# KiCad board RP2040-Breadstick.kicad_pcb (continued)
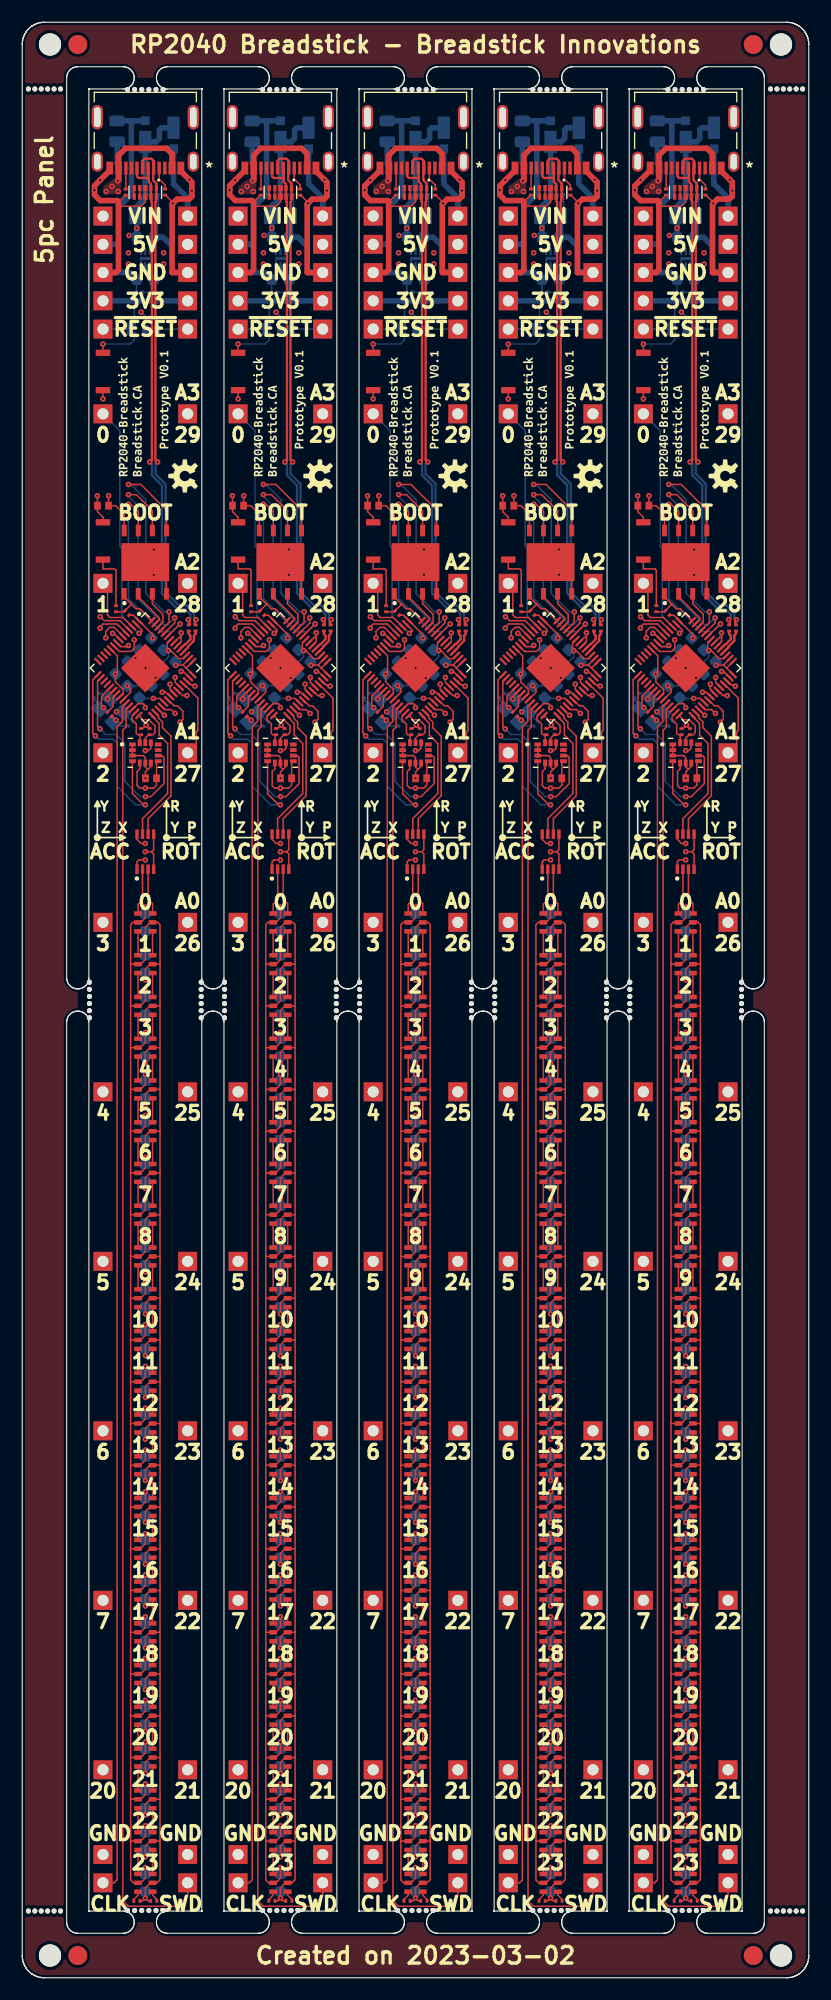
[diagram p0: board, top side]
## Routing (per net, layer and track width the routed paths; a pad name or vN(x,y) marks a point on that pad's centre or on a via; arc(x,y) is an arc through that point) (continued)
Board_4-IMU_INT1: length 19.6
  L1_SIG.Cu w0.127: v1(59.72,105.47) 59.56,105.47 58.56,106.47 U401#2.4 ; v1(55.23,111.66) 54.99,111.9 54.99,116.71 U201#4.15
  L8_SIG.Cu w0.127: v1(55.23,111.66) 55.53,111.36 56.8,111.36 57.2,110.96 57.2,107.11 58.84,105.47 v1(59.72,105.47)
Board_4-IMU_INT2: length 18.5
  L1_SIG.Cu w0.127: U401#2.9 61.23,109.89 61.4,109.72 61.4,107.37 60.23,106.2 v1(59.73,106.2) ; U201#4.16 55.42,116.57 55.42,112.51 v1(55.63,112.3)
  L8_SIG.Cu w0.127: v1(59.73,106.2) 59.24,106.2 57.88,107.56 57.88,111.01 57.1,111.79 56.14,111.79 v1(55.63,112.3)
Board_4-IMU_SCL: length 3.9
  L1_SIG.Cu w0.127: U201#4.28 59.5,113.12 60.03,113.12 60.58,112.56 60.58,111.97 60.38,111.77 R210#4.1 60.03,111.77 59.72,111.46 U401#2.13
Board_4-IMU_SDA: length 3.4
  L1_SIG.Cu w0.127: U201#4.27 58.5,113.43 58.5,113.14 58.91,112.73 58.91,111.89 59.03,111.77 R209.1 59.23,111.66 59.23,111.06 U401#2.14
Board_4-LED_CLK: length 12.2
  L1_SIG.Cu w0.127: IC301#4.7 59.47,104.23 61.73,106.48 61.73,110.98 60.96,111.74 60.96,112.78 60.31,113.44 U201#4.29
Board_4-LED_DATA: length 12.4
  L1_SIG.Cu w0.127: IC301#4.6 59.97,104.22 62.03,106.28 62.03,111.64 61.27,112.4 61.27,112.91 60.91,113.26 60.91,113.45 U201#4.30
Board_4-Net-(C201-Pad1): length 2
  L1_SIG.Cu w0.127: U201#4.20 56.32,115.2 v1(56.32,114.99)
  L8_SIG.Cu w0.127: v1(56.32,114.99) 55.82,115.49 C201#4.1
Board_4-Net-(C203-Pad1): length 2.1
  L1_SIG.Cu w0.127: R201#5.1 57.03,113.08 v1(57.09,113.08)
  L8_SIG.Cu w0.127: C203#2.1 57.09,112.56 Y201#2.3
Board_4-Net-(J221-PadA5): length 2.1
  L1_SIG.Cu w0.127: R207#4.1 61.5,161.19 60.97,161.72 J221#5.A5
Board_4-Net-(J221-PadB5): length 1.9
  L1_SIG.Cu w0.127: J221#5.B5 57.97,160.86 R206#5.1
Board_4-Net-(LED301-Pad1): length 2.2
  L1_SIG.Cu w0.127: LED301#2.1 LED302.3
Board_4-Net-(LED301-Pad6): length 2.2
  L1_SIG.Cu w0.127: LED301#2.6 LED302.4
Board_4-Net-(LED302-Pad1): length 2.2
  L1_SIG.Cu w0.127: LED302.1 LED303#4.3
Board_4-Net-(LED302-Pad6): length 2.2
  L1_SIG.Cu w0.127: LED302.6 LED303#4.4
Board_4-Net-(LED303-Pad1): length 2.2
  L1_SIG.Cu w0.127: LED303#4.1 LED304#3.3
Board_4-Net-(LED303-Pad6): length 2.2
  L1_SIG.Cu w0.127: LED303#4.6 LED304#3.4
Board_4-Net-(LED304-Pad1): length 2.2
  L1_SIG.Cu w0.127: LED304#3.1 LED305#5.3
Board_4-Net-(LED304-Pad6): length 2.2
  L1_SIG.Cu w0.127: LED304#3.6 LED305#5.4
Board_4-Net-(LED305-Pad1): length 2.2
  L1_SIG.Cu w0.127: LED305#5.1 LED306#5.3
Board_4-Net-(LED305-Pad6): length 2.2
  L1_SIG.Cu w0.127: LED305#5.6 LED306#5.4
Board_4-Net-(LED306-Pad1): length 2.2
  L1_SIG.Cu w0.127: LED306#5.1 LED307#5.3
Board_4-Net-(LED306-Pad6): length 2.2
  L1_SIG.Cu w0.127: LED306#5.6 LED307#5.4
Board_4-Net-(LED307-Pad1): length 2.2
  L1_SIG.Cu w0.127: LED307#5.1 LED308#5.3
Board_4-Net-(LED307-Pad6): length 2.2
  L1_SIG.Cu w0.127: LED307#5.6 LED308#5.4
Board_4-Net-(LED308-Pad1): length 2.2
  L1_SIG.Cu w0.127: LED308#5.1 LED309#2.3
Board_4-Net-(LED308-Pad6): length 2.2
  L1_SIG.Cu w0.127: LED308#5.6 LED309#2.4
Board_4-Net-(LED309-Pad1): length 2.2
  L1_SIG.Cu w0.127: LED309#2.1 LED310#5.3
Board_4-Net-(LED309-Pad6): length 2.2
  L1_SIG.Cu w0.127: LED309#2.6 LED310#5.4
Board_4-Net-(LED310-Pad1): length 2.2
  L1_SIG.Cu w0.127: LED310#5.1 LED311#4.3
Board_4-Net-(LED310-Pad6): length 2.2
  L1_SIG.Cu w0.127: LED310#5.6 LED311#4.4
Board_4-Net-(LED311-Pad1): length 2.2
  L1_SIG.Cu w0.127: LED311#4.1 LED312#3.3
Board_4-Net-(LED311-Pad6): length 2.2
  L1_SIG.Cu w0.127: LED311#4.6 LED312#3.4
Board_4-Net-(LED312-Pad1): length 2.2
  L1_SIG.Cu w0.127: LED312#3.1 LED313#3.3
Board_4-Net-(LED312-Pad6): length 2.2
  L1_SIG.Cu w0.127: LED312#3.6 LED313#3.4
Board_4-Net-(LED313-Pad1): length 2.2
  L1_SIG.Cu w0.127: LED313#3.1 LED314.3
Board_4-Net-(LED313-Pad6): length 2.2
  L1_SIG.Cu w0.127: LED313#3.6 LED314.4
Board_4-Net-(LED314-Pad1): length 2.2
  L1_SIG.Cu w0.127: LED314.1 LED315#3.3
Board_4-Net-(LED314-Pad6): length 2.2
  L1_SIG.Cu w0.127: LED314.6 LED315#3.4
Board_4-Net-(LED315-Pad1): length 2.2
  L1_SIG.Cu w0.127: LED315#3.1 LED316#3.3
Board_4-Net-(LED315-Pad6): length 2.2
  L1_SIG.Cu w0.127: LED315#3.6 LED316#3.4
Board_4-Net-(LED316-Pad1): length 2.2
  L1_SIG.Cu w0.127: LED316#3.1 LED317#5.3
Board_4-Net-(LED316-Pad6): length 2.2
  L1_SIG.Cu w0.127: LED316#3.6 LED317#5.4
Board_4-Net-(LED317-Pad1): length 2.2
  L1_SIG.Cu w0.127: LED317#5.1 LED318.3
Board_4-Net-(LED317-Pad6): length 2.2
  L1_SIG.Cu w0.127: LED317#5.6 LED318.4
Board_4-Net-(LED318-Pad1): length 2.2
  L1_SIG.Cu w0.127: LED318.1 LED319#5.3
Board_4-Net-(LED318-Pad6): length 2.2
  L1_SIG.Cu w0.127: LED318.6 LED319#5.4
Board_4-Net-(LED319-Pad1): length 2.2
  L1_SIG.Cu w0.127: LED319#5.1 LED320#2.3
Board_4-Net-(LED319-Pad6): length 2.2
  L1_SIG.Cu w0.127: LED319#5.6 LED320#2.4
Board_4-Net-(LED320-Pad1): length 2.2
  L1_SIG.Cu w0.127: LED320#2.1 LED321.3
Board_4-Net-(LED320-Pad6): length 2.2
  L1_SIG.Cu w0.127: LED320#2.6 LED321.4
Board_4-Net-(LED321-Pad1): length 2.2
  L1_SIG.Cu w0.127: LED321.1 LED322#3.3
Board_4-Net-(LED321-Pad6): length 2.2
  L1_SIG.Cu w0.127: LED321.6 LED322#3.4
Board_4-Net-(LED322-Pad1): length 2.2
  L1_SIG.Cu w0.127: LED322#3.1 LED323#5.3
Board_4-Net-(LED322-Pad6): length 2.2
  L1_SIG.Cu w0.127: LED322#3.6 LED323#5.4
Board_4-Net-(LED323-Pad1): length 2.2
  L1_SIG.Cu w0.127: LED323#5.1 LED324#5.3
Board_4-Net-(LED323-Pad6): length 2.2
  L1_SIG.Cu w0.127: LED323#5.6 LED324#5.4
Board_4-Net-(LED324-Pad1): length 1
  L1_SIG.Cu w0.127: 60.76,6.91 60.76,7.05 60.37,7.43 LED324#5.1
Board_4-Net-(LED324-Pad6): length 1
  L1_SIG.Cu w0.127: LED324#5.6 59.07,7.43 58.68,7.05 R304#4.1
Board_4-Net-(R201-Pad2): length 2
  L1_SIG.Cu w0.127: U201#4.21 56.82,115.15 56.82,114.32 R201#5.2
Board_4-Net-(R204-Pad1): length 5.2
  L1_SIG.Cu w0.127: R204#5.1 57.08,126.55 56.95,126.68 55.91,126.68 SW201#5.2
Board_4-Net-(R211-Pad1): length 4.3
  L1_SIG.Cu w0.127: SW202.2 v1(55.91,146.89)
  L8_SIG.Cu w0.127: 58.72,147.86 58.72,147.27 58.35,146.89 v1(55.91,146.89)
Board_4-Net-(U202-Pad4): length 0.8
  L1_SIG.Cu w0.127: U202#5.4 U202#5.7
Board_4-Net-(U202-Pad5): length 0.8
  L1_SIG.Cu w0.127: U202#5.5 U202#5.6
Board_4-SWCLK: length 107.5
  L1_SIG.Cu w0.127: U201#4.24 57.66,114.29 57.66,112.95 57.18,112.46 57.18,8.79 56.93,8.54 J223#3.1
Board_4-SWD: length 115.3
  L1_SIG.Cu w0.127: J224#2.1 63.53,7.37 62.59,6.43 58.17,6.43 57.69,6.91 57.69,112.17 57.98,112.46 57.98,114.04 U201#4.25
Board_4-VBUS: length 12.5
  L1_SIG.Cu w0.5: J221#5.A4/B9 62.12,164 61.62,164.5 57.94,164.5 57.32,163.87 J221#5.B4/A9 57.32,161.66 v1(57.23,161.58)
  L8_SIG.Cu w0.5: v1(57.23,161.58) 57.31,161.65 57.31,163 57.18,163.12 F501#2.1
  vias: v1(56.19,160.61) v1(56.72,161.07) v1(57.28,160.61)
Board_4-VHI: length 174.3
  L1_SIG.Cu w0.127: 58.4,23.53 58.43,23.55 LED320#2.5 59.29,23.55 59.72,23.98 v1(59.72,24.95) ; 58.4,23.53 58.4,27.34 ; 58.4,23.53 58.4,19.77 ; v1(59.72,39.93) 59.72,39.02 59.27,38.57 LED316#3.5 58.44,38.57 58.4,38.61 ; v1(59.72,84.99) 59.72,84.08 59.27,83.63 LED304#3.5 58.41,83.63 58.4,83.62 ; 58.4,79.86 58.41,79.88 LED305#5.5 59.28,79.88 59.72,80.32 v1(59.72,81.23) ; 58.4,79.86 58.4,83.62 ; 58.4,79.86 58.4,76.1 ; 58.4,31.1 58.4,27.34 ; 58.4,31.1 58.43,31.06 LED318.5 59.28,31.06 59.72,31.5 v1(59.72,32.47) ; 58.4,31.1 58.4,34.8 ; 58.4,27.34 58.43,27.31 LED319#5.5 59.29,27.31 59.72,27.74 v1(59.72,28.71) ; v1(59.72,43.69) 59.72,42.78 59.27,42.33 LED315#3.5 58.44,42.33 58.4,42.37 ; 58.4,19.77 58.4,16.06 ; 58.4,19.77 58.43,19.8 LED321.5 59.3,19.8 59.72,20.22 v1(59.72,21.19) ; 58.4,16.06 58.41,16.04 LED322#3.5 59.3,16.04 59.72,16.46 v1(59.72,17.43) ; 58.4,16.06 58.4,12.3 ; 58.4,38.61 58.4,42.37 ; 58.4,38.61 58.4,34.8 ; 58.4,83.62 58.4,87.38 ; v1(59.72,62.49) 59.72,61.52 59.3,61.1 LED310#5.5 58.43,61.1 58.4,61.07 ; 58.4,91.14 58.4,87.38 ; 58.4,91.14 58.4,94.7 58.6,94.9 LED301#2.5 59.31,94.9 59.72,95.31 v1(59.72,96.27) ; 58.4,91.14 LED302.5 59.31,91.14 59.72,91.55 v1(59.72,92.51) ; 58.4,87.38 58.4,87.39 LED303#4.5 59.27,87.39 59.72,87.84 v1(59.72,88.75) ; 58.4,61.07 58.4,57.36 ; 58.4,61.07 58.4,64.88 ; 58.4,57.36 58.4,53.55 ; 58.4,57.36 58.41,57.35 LED311#4.5 59.3,57.35 59.72,57.77 v1(59.72,58.73) ; 58.4,68.64 58.42,68.61 LED308#5.5 59.29,68.61 59.72,69.04 v1(59.72,70.01) ; 58.4,68.64 58.4,72.34 ; 58.4,68.64 58.4,64.88 ; 58.4,12.3 58.4,8.79 58.66,8.54 LED324#5.5 59.31,8.54 59.72,8.95 v1(59.72,9.91) ; 58.4,12.3 58.41,12.29 LED323#5.5 59.3,12.29 59.72,12.71 v1(59.72,13.67) ; v1(59.72,100.51) 59.14,100.51 58.97,100.35 IC301#4.1 ; 58.4,53.55 58.44,53.59 LED312#3.5 59.31,53.59 59.72,54.01 v1(59.72,54.97) ; 58.4,53.55 58.4,49.84 ; 58.4,42.37 58.4,46.08 ; v1(59.72,66.25) 59.72,65.28 59.29,64.86 LED309#2.5 58.42,64.86 58.4,64.88 ; 58.4,46.08 LED314.5 59.26,46.08 59.72,46.54 v1(59.72,47.45) ; 58.4,46.08 58.4,49.84 ; v1(59.72,73.77) 59.72,72.8 59.28,72.37 LED307#5.5 58.42,72.37 58.4,72.34 ; 58.4,72.34 58.4,76.1 ; v1(59.72,77.53) 59.72,76.56 59.28,76.12 LED306#5.5 58.42,76.12 58.4,76.1 ; 58.4,49.84 58.4,49.84 LED313#3.5 59.31,49.84 59.72,50.25 v1(59.72,51.21) ; 58.4,34.8 58.41,34.82 LED317#5.5 59.28,34.82 59.72,35.26 v1(59.72,36.23)
  L8_SIG.Cu w0.127: v1(59.72,28.71) C321#4.1 ; v1(59.72,77.53) 59.72,76.92 C308#4.1 ; v1(59.72,88.75) C305#3.1 ; v1(59.72,54.97) C314#3.1 ; v1(59.72,9.91) C326.1 ; v1(59.72,70.01) C310.1 ; C309.1 59.72,73.16 v1(59.72,73.77) ; v1(59.72,32.47) C320#2.1 ; v1(59.72,62.49) C312#5.1 ; v1(59.72,58.73) C313#2.1 ; v1(59.72,96.27) C303.1 ; v1(59.72,84.99) C306#5.1 ; v1(59.72,17.43) C324#4.1 ; v1(59.72,21.19) C323#4.1 ; v1(59.72,51.21) C315#4.1 ; R501#3.2 59.85,160.31 59.72,160.43 ; v1(59.72,13.67) C325#2.1 ; v1(59.72,66.25) C311.1 ; v1(59.72,36.23) C319.1 ; v1(59.72,47.45) C316.1 ; v1(59.72,81.23) C307#2.1 ; v1(59.72,39.93) C318#2.1 ; v1(59.72,92.51) C304#2.1 ; v1(59.72,24.95) C322#4.1 ; v1(59.72,43.69) C317#3.1
  L8_SIG.Cu w0.5: D501.1 61.18,166.34 60.99,166.15 60.99,165.39 60.67,165.07 D502#3.1 59.72,160.05 58.82,159.15 C501#4.1 58.94,158.28 v1(58.94,157.31) C502.1
  vias: v1(58.2,155.1) v1(58.2,154.08) v1(58.25,156.66) v1(61.37,155.1) v1(61.37,154.08)
Board_4-VIN: length 14.2
  L3_SIG.Cu w0.5: J502#4.1 J501#4.1
  L8_SIG.Cu w0.5: J501#4.1 63.53,160.03 62.26,161.3 D501.2

## Copper pours and planes (outline as drawn; the poured copper is in the pictures)
(no net) on L1_SIG.Cu: 68.81,175.83 68.79,175.83 2.01,175.83 1.99,175.83 0,173.84 0,173.82 0,2.01 0,1.99 1.99,0 2.01,0 68.79,0 68.81,0 70.8,1.99 70.8,2.01 70.8,173.82 70.8,173.84 ; 1 cut-out
(no net) on L8_SIG.Cu: 68.81,175.83 68.79,175.83 2.01,175.83 1.99,175.83 0,173.84 0,173.82 0,2.01 0,1.99 1.99,0 2.01,0 68.79,0 68.81,0 70.8,1.99 70.8,2.01 70.8,173.82 70.8,173.84 ; 1 cut-out
Board_0-3V3_LDO on L5_3V3.Cu: 16.16,6 6,6 6,169.83 16.16,169.83
Board_0-GND on L8_SIG.Cu: 12.09,118.28 10.56,116.75 9.05,118.4 10.44,119.79
Board_0-GND on L8_SIG.Cu: 13.25,117.12 11.85,115.72 11.16,116.41 12.55,117.81
Board_0-GND on L2_GND.Cu, L4_GND.Cu, L7_GND.Cu: 16.16,6 6,6 6,169.83 16.16,169.83
Board_0-VBUS on L1_SIG.Cu, L8_SIG.Cu: 8.97,161.45 8.9,161.37 8.9,160.36 7.3,160.36 7.3,161.09 8.39,161.85 8.39,162.62 8.97,162.62
Board_0-VHI on L8_SIG.Cu: 10.83,155.61 13.11,155.61 13.11,153.83 11.84,153.83 11.84,155.1 10.32,155.1 10.32,153.83 9.05,153.83 9.05,157 10.83,157
Board_0-VHI on L6_5VHIGH.Cu: 16.16,6 6,6 6,169.83 16.16,169.83
Board_1-3V3_LDO on L5_3V3.Cu: 28.32,6 18.16,6 18.16,169.83 28.32,169.83
Board_1-GND on L8_SIG.Cu: 24.25,118.28 22.72,116.75 21.21,118.4 22.61,119.79
Board_1-GND on L8_SIG.Cu: 25.41,117.12 24.01,115.72 23.32,116.41 24.71,117.81
Board_1-GND on L2_GND.Cu, L4_GND.Cu, L7_GND.Cu: 28.32,6 18.16,6 18.16,169.83 28.32,169.83
Board_1-VBUS on L1_SIG.Cu, L8_SIG.Cu: 21.13,161.45 21.06,161.37 21.06,160.36 19.46,160.36 19.46,161.09 20.55,161.85 20.55,162.62 21.13,162.62
Board_1-VHI on L8_SIG.Cu: 22.99,155.61 25.27,155.61 25.27,153.83 24,153.83 24,155.1 22.48,155.1 22.48,153.83 21.21,153.83 21.21,157 22.99,157
Board_1-VHI on L6_5VHIGH.Cu: 28.32,6 18.16,6 18.16,169.83 28.32,169.83
Board_2-3V3_LDO on L5_3V3.Cu: 40.48,6 30.32,6 30.32,169.83 40.48,169.83
Board_2-GND on L8_SIG.Cu: 36.41,118.28 34.88,116.75 33.37,118.4 34.77,119.79
Board_2-GND on L8_SIG.Cu: 37.57,117.12 36.17,115.72 35.48,116.41 36.87,117.81
Board_2-GND on L2_GND.Cu, L4_GND.Cu, L7_GND.Cu: 40.48,6 30.32,6 30.32,169.83 40.48,169.83
Board_2-VBUS on L1_SIG.Cu, L8_SIG.Cu: 33.29,161.45 33.22,161.37 33.22,160.36 31.62,160.36 31.62,161.09 32.71,161.85 32.71,162.62 33.29,162.62
Board_2-VHI on L8_SIG.Cu: 35.15,155.61 37.43,155.61 37.43,153.83 36.16,153.83 36.16,155.1 34.64,155.1 34.64,153.83 33.37,153.83 33.37,157 35.15,157
Board_2-VHI on L6_5VHIGH.Cu: 40.48,6 30.32,6 30.32,169.83 40.48,169.83
Board_3-3V3_LDO on L5_3V3.Cu: 52.64,6 42.48,6 42.48,169.83 52.64,169.83
Board_3-GND on L8_SIG.Cu: 48.57,118.28 47.04,116.75 45.53,118.4 46.92,119.79
Board_3-GND on L8_SIG.Cu: 49.73,117.12 48.33,115.72 47.64,116.41 49.03,117.81
Board_3-GND on L2_GND.Cu, L4_GND.Cu, L7_GND.Cu: 52.64,6 42.48,6 42.48,169.83 52.64,169.83
Board_3-VBUS on L1_SIG.Cu, L8_SIG.Cu: 45.45,161.45 45.38,161.37 45.38,160.36 43.78,160.36 43.78,161.09 44.87,161.85 44.87,162.62 45.45,162.62
Board_3-VHI on L8_SIG.Cu: 47.31,155.61 49.59,155.61 49.59,153.83 48.32,153.83 48.32,155.1 46.8,155.1 46.8,153.83 45.53,153.83 45.53,157 47.31,157
Board_3-VHI on L6_5VHIGH.Cu: 52.64,6 42.48,6 42.48,169.83 52.64,169.83
Board_4-3V3_LDO on L5_3V3.Cu: 64.8,6 54.64,6 54.64,169.83 64.8,169.83
Board_4-GND on L8_SIG.Cu: 60.73,118.28 59.2,116.75 57.69,118.4 59.08,119.79
Board_4-GND on L8_SIG.Cu: 61.89,117.12 60.49,115.72 59.8,116.41 61.19,117.81
Board_4-GND on L2_GND.Cu, L4_GND.Cu, L7_GND.Cu: 64.8,6 54.64,6 54.64,169.83 64.8,169.83
Board_4-VBUS on L1_SIG.Cu, L8_SIG.Cu: 57.61,161.45 57.54,161.37 57.54,160.36 55.94,160.36 55.94,161.09 57.03,161.85 57.03,162.62 57.61,162.62
Board_4-VHI on L8_SIG.Cu: 59.47,155.61 61.75,155.61 61.75,153.83 60.48,153.83 60.48,155.1 58.96,155.1 58.96,153.83 57.69,153.83 57.69,157 59.47,157
Board_4-VHI on L6_5VHIGH.Cu: 64.8,6 54.64,6 54.64,169.83 64.8,169.83

## Text on the board
F.Silkscreen: Y | Z | X | R | P | 0 | 1 | 2 | 3 | 4 | 5 | 6 | 7 | 20 | ACC | GND | CLK | VIN | 5V | 3V3 | ~{RESET} | BOOT | 8 | 9 | 10 | 11 | 12 | 13 | 14 | 15 | 16 | 17 | 18 | 19 | 21 | 22 | 23 | ROT | SWD | A3 | 29 | A2 | 28 | A1 | 27 | A0 | 26 | 25 | 24 | RP2040 Breadstick - Breadstick Innovations | Created on 2023-03-02 | 5pc Panel
